# KiCad board multistepper.kicad_pcb (continued)
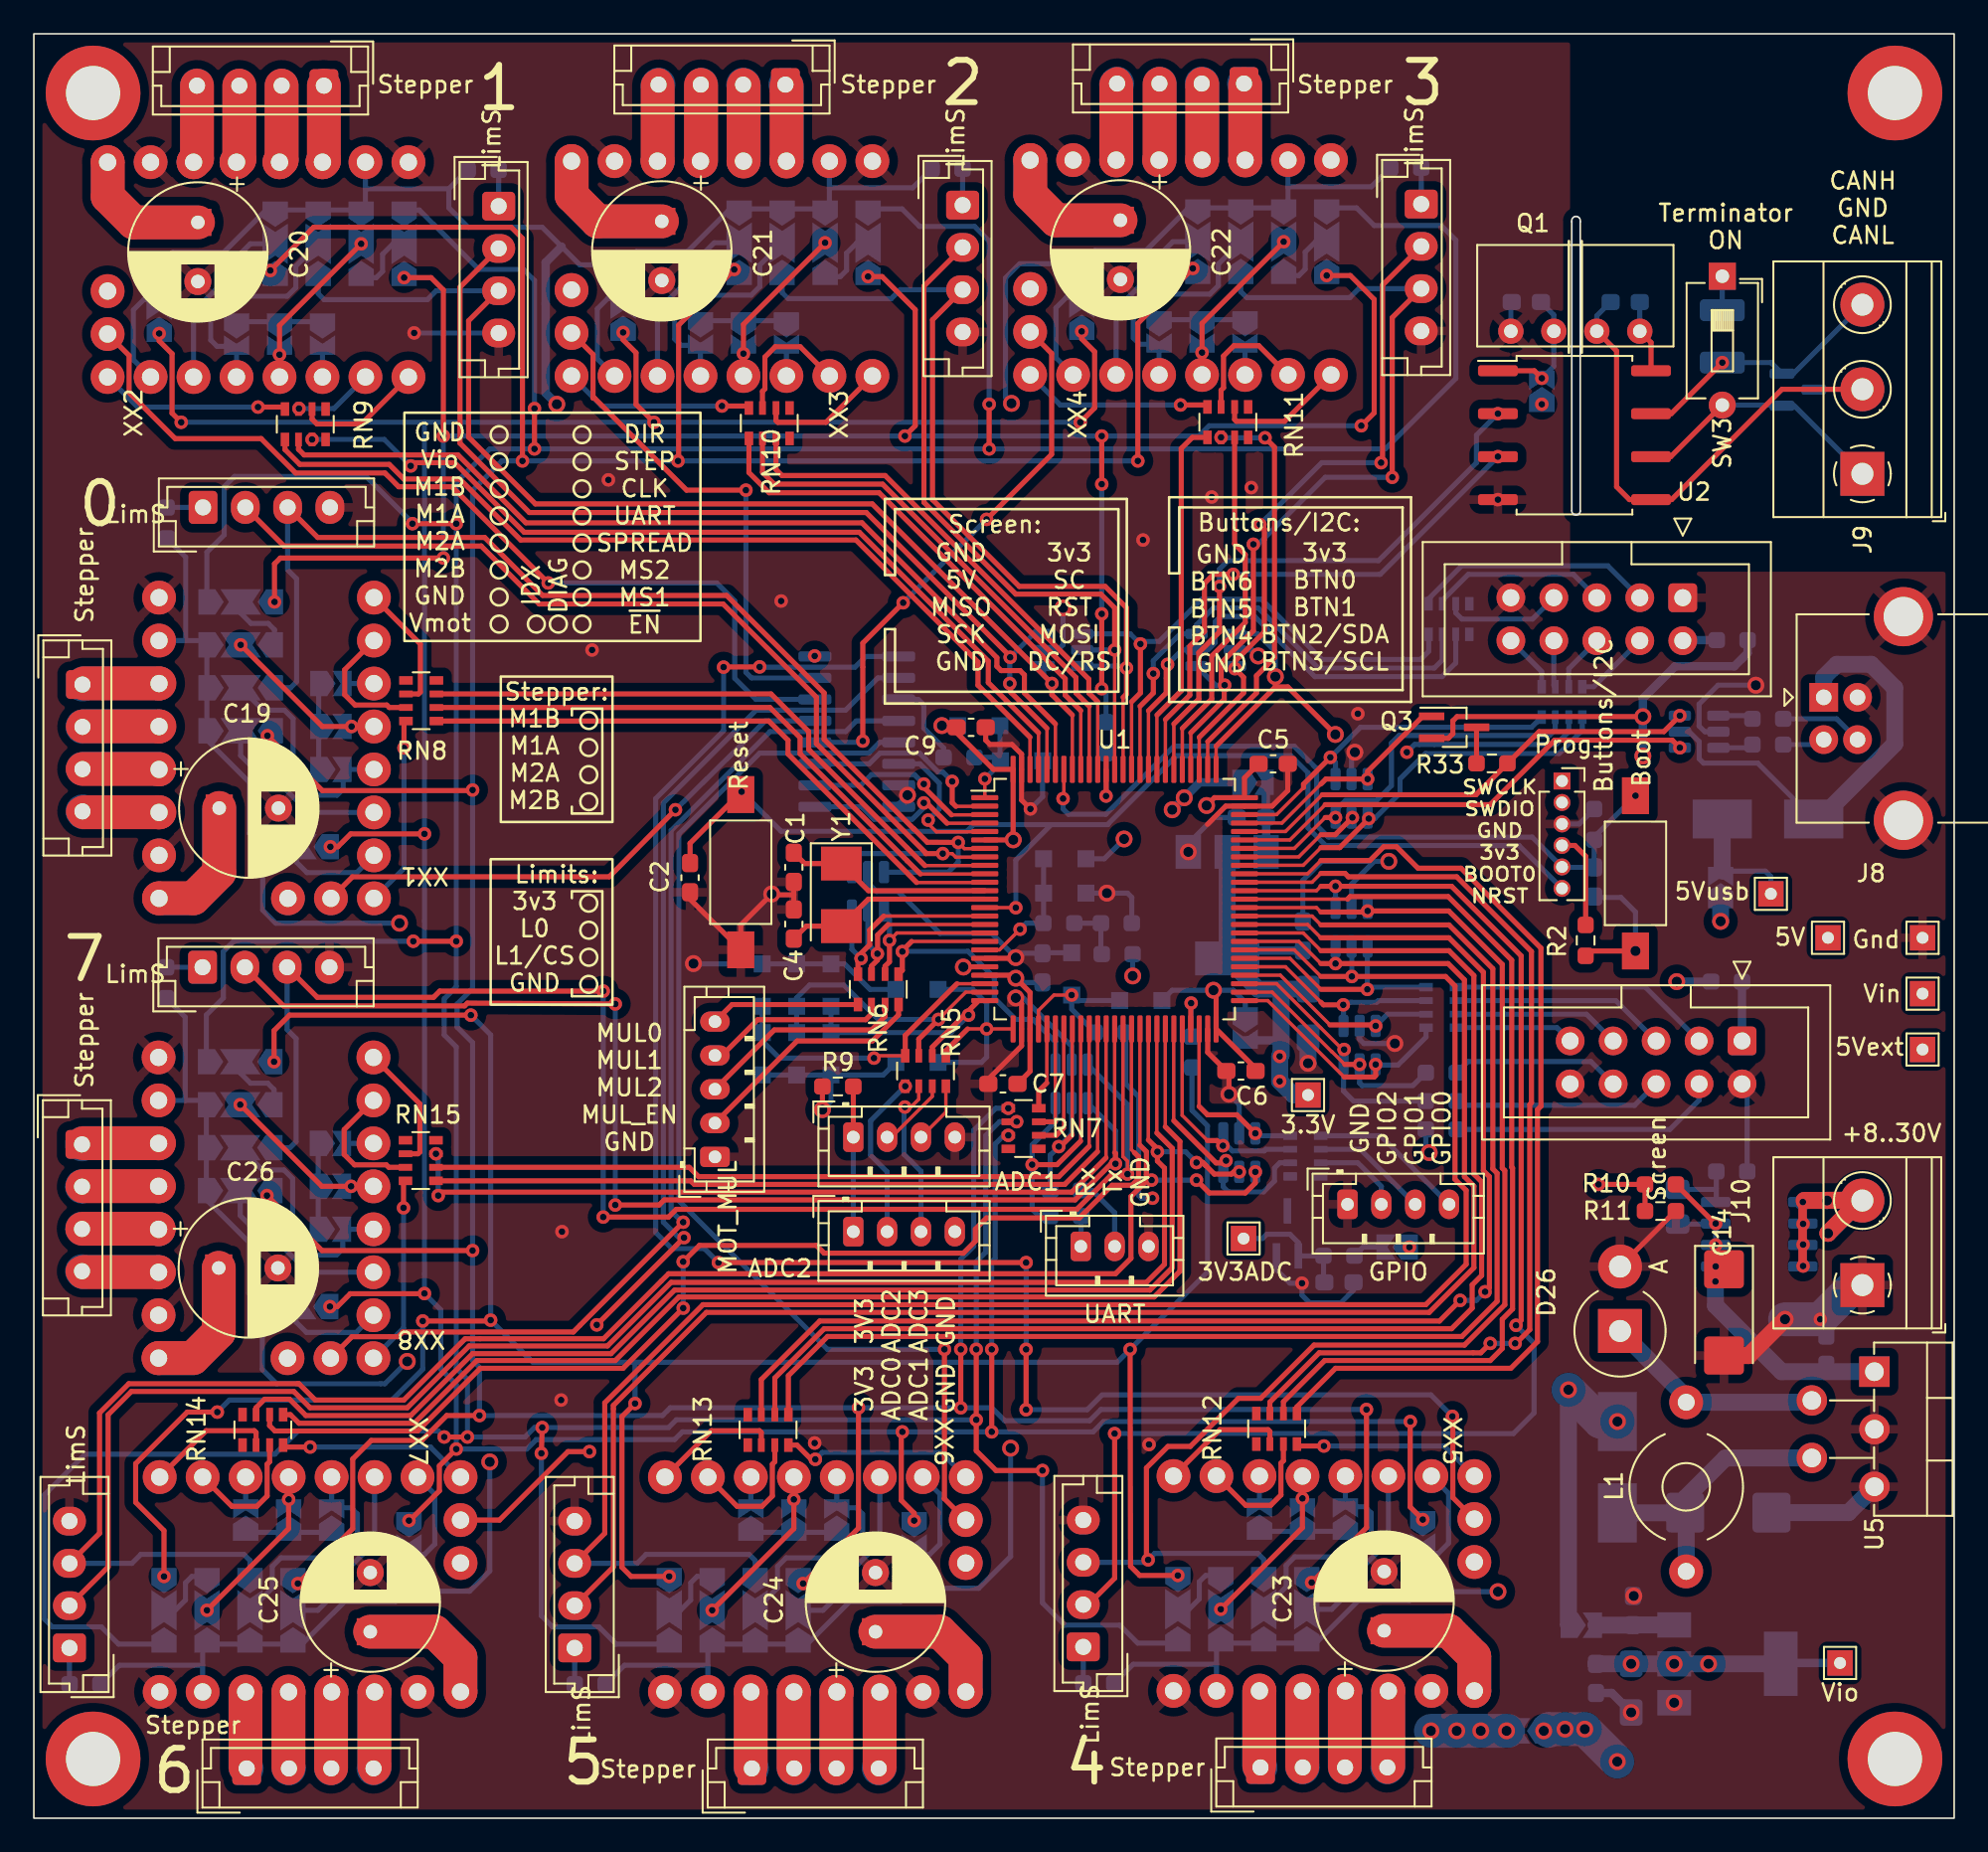
[diagram p0: board, top side]
## Routing (per net, layer and track width the routed paths; a pad name or vN(x,y) marks a point on that pad's centre or on a via; arc(x,y) is an arc through that point) (continued)
M4_L0: length 83.4
  Top w0.2: 76.07,55.1 75.81,54.84 71.56,54.84
  Top w0.3: v2(63.88,22.74) 63.88,14.19 62.32,12.63 J20.2 ; v2(87.6,29.14) 87.91,29.45 87.91,50.99 83.79,55.1 v2(76.94,55.1) 76.07,55.1
  Bottom w0.2: 76.94,53.82 76.93,53.82
  Bottom w0.3: v2(63.88,22.74) 87.45,22.74 88.67,23.96 88.67,28.07 v2(87.6,29.14) ; v2(76.94,55.1) 76.94,53.82
M4_L1: length 79.5
  Top w0.2: 71.56,53.84 75.81,53.84 76.07,53.58 ; 78.77,53.58 v2(78.83,53.64)
  Top w0.3: 76.07,53.58 78.77,53.58 ; v2(65.86,15.27) 65.76,15.37 65.76,20.71 67.03,21.98 68.35,21.98 71.2,24.82 72.52,24.82 75.67,27.97 84.56,27.97 86.94,30.36 86.94,38.29 86.79,38.44 86.79,50.48 83.63,53.64 v2(78.83,53.64)
  Bottom w0.3: J20.3 65.71,15.13 v2(65.86,15.27) 66.24,15.65 72.34,15.65 72.69,15.3 JP44.1
M4_STEP: length 55.6
  Top w0.2: 71.56,54.34 77.65,54.34
  Top w0.3: RN12.6 73.86,24.62 76.29,27.06 86.08,27.06 86.79,27.77 86.79,29.5 87.4,30.11 87.4,38.44 87.35,38.49 87.35,50.73 83.59,54.49 77.8,54.49 77.65,54.34
M5_DIR: length 81.4
  Top w0.2: 76.07,52.05 75.29,52.84 71.56,52.84
  Top w0.3: 76.07,52.05 83.64,52.05 85.67,50.02 85.67,38.29 86.03,37.93 86.03,31.38 v2(85.77,31.12) ; RN13.7 43,25.94 46.46,29.4 83.08,29.4 v2(84.3,30.61)
  Bottom w0.3: v2(84.3,30.61) 85.27,30.61 v2(85.77,31.12)
M5_EN: length 81.7
  Top w0.2: 76.07,52.81 75.55,53.34 71.56,53.34
  Top w0.3: 76.07,52.81 83.64,52.81 86.23,50.22 86.23,38.39 86.49,38.13 86.49,30.56 84.4,28.48 46.91,28.48 44.6,26.16 RN13.5
M5_L0: length 99.2
  Top w0.2: 71.56,51.84 74.76,51.84 76.07,50.53
  Top w0.3: 76.07,50.53 v2(76.94,50.53) 83.59,50.53 84.56,49.56 84.56,37.93 85.11,37.37 85.11,32.54 82.47,29.9 39.75,29.9 34.25,24.41 34.25,14.85 J22.2
  Bottom w0.2: 76.94,51.54 76.93,51.54
  Bottom w0.3: v2(76.94,50.53) 76.94,51.54
M5_L1: length 108.4
  Top w0.2: 71.56,51.34 74.5,51.34 76.07,49.77
  Top w0.3: 76.07,49.77 v2(77.9,49.77) 83.44,49.77 84,49.21 84,37.78 84.66,37.12 84.66,32.75 82.27,30.36 39.55,30.36 33.74,24.56 33.74,16.84 J22.3
  Bottom w0.2: 77.9,51.53 D8.5
  Bottom w0.3: J22.3 35.65,15.07 36.18,15.59 42.28,15.59 42.63,15.24 JP52.1 ; v2(77.9,49.77) 77.9,51.53
M5_STEP: length 79.8
  Top w0.2: 71.56,52.34 75.02,52.34 76.07,51.29
  Top w0.3: 76.07,51.29 83.64,51.29 85.11,49.82 85.11,38.08 85.57,37.62 85.57,32.09 85.01,31.53 85.01,30.16 83.79,28.94 46.71,28.94 43.8,26.02 RN13.6
M6_DIR: length 73.3
  Top w0.2: 66.37,46.67 66.37,40.52
  Top w0.3: 66.37,40.52 67.28,39.61 67.28,32.54 65.96,31.22 37.87,31.22 34.11,27.46 25.93,27.46 22.27,23.81 16.08,23.81 15.11,24.77 13.64,24.77 13.13,24.27 RN14.7
M6_EN: length 71.6
  Top w0.2: 66.87,46.67 66.87,40.88
  Top w0.3: 66.87,40.88 67.74,40.01 67.74,32.34 66.22,30.82 38.12,30.82 34.37,27.06 26.19,27.06 22.48,23.35 15.67,23.35 15.16,23.86 RN14.5
M6_L0: length 99.2
  Top w0.2: 65.87,46.67 65.87,40.1
  Top w0.3: v2(71.25,38.21) 70.92,38.21 70.79,38.08 69.77,38.08 69.26,38.59 ; 69.26,38.59 69.06,38.79 ; 69.26,38.59 69.09,38.76 v2(68.72,38.76) ; J24.2 4.39,14.85 4.39,23.86 5.76,25.23 15.37,25.23 16.33,24.26 22.07,24.26 25.73,27.92 33.91,27.92 37.67,31.68 65.76,31.68 66.83,32.75 66.83,38.44 66.41,38.85 v2(66.41,39.4) 66.41,39.57 65.87,40.1
  Bottom w0.3: v2(68.72,38.76) 68.08,39.4 v2(66.41,39.4)
M6_L1: length 109.4
  Top w0.2: 65.37,46.67 65.37,39.79
  Top w0.3: v2(68.72,37.73) 69.48,36.96 71.6,36.96 72.2,37.56 v2(72.2,38.21) ; 65.76,38.44 65.76,38.03 v2(66.06,37.73) ; 65.76,38.44 65.76,39.4 65.37,39.79 ; 65.76,38.44 65.76,37.68 64.85,36.76 64.85,33.1 63.93,32.19 37.51,32.19 33.67,28.35 25.49,28.35 21.87,24.72 16.64,24.72 15.67,25.69 5.61,25.69 3.88,23.96 3.88,16.84 J24.3
  Bottom w0.3: J24.3 5.79,15.07 6.32,15.59 12.42,15.59 12.77,15.24 JP60.1 ; v2(66.06,37.73) v2(68.72,37.73)
M6_STEP: length 69.8
  Top w0.2: 64.87,46.67 64.87,39.53 65.05,39.35
  Top w0.3: RN14.6 13.93,23.21 14.25,22.89 22.68,22.89 26.39,26.6 34.83,26.6 v2(38.38,30.16) ; v2(38.38,32.9) 39.34,33.87 46.25,33.87 46.71,33.41 54.94,33.41 55.65,34.12 55.65,34.83 56.31,35.49 61.8,35.49 63.73,37.42 64.9,37.42 65.29,37.81 65.29,39.11 65.05,39.35
  Bottom w0.3: v2(38.38,32.9) 38.38,30.16 v2(38.38,30.16)
M7_DIR: length 50.5
  Top w0.2: 63.37,46.67 63.37,39.05
  Top w0.3: v2(23.9,36.81) 24.1,37.02 61.34,37.02 63.37,39.05
  Bottom w0.3: v2(23.77,39.28) 23.9,39.15 v2(23.9,36.81)
M7_EN: length 47.3
  Top w0.2: 62.87,46.67 62.87,39.41
  Top w0.3: 62.87,39.41 60.93,37.47 39.04,37.47 38.83,37.68 RN15.5
M7_L0: length 77.6
  Top w0.2: 63.88,39.35 U1.38
  Top w0.3: v2(34.37,48.14) 25.62,48.19 25.46,48.03 14.76,48.03 J26.2 ; v2(34.37,36.25) 36.96,36.25 37.26,36.56 61.54,36.56 63.68,38.69 v2(63.93,38.69) 63.93,39.3 63.88,39.35
  Bottom w0.3: v2(63.93,38.69) 63.93,40.64 D5.4 ; v2(34.37,36.25) v2(34.37,48.14)
M7_L1: length 93.1
  Top w0.2: 64.37,46.67 64.37,39.11 64.64,38.84 v2(64.64,38.08)
  Top w0.3: v2(64.64,38.08) 64.54,37.98 63.63,37.98 61.64,36 37.97,36 37.51,35.54 v2(33.65,35.54) ; v2(33.65,48.9) 24,48.9 23.63,48.53 16.75,48.53 J26.3
  Bottom w0.3: J26.3 14.97,46.62 15.5,46.1 15.5,40 15.14,39.64 JP68.1 ; v2(33.65,48.9) v2(33.65,35.54) ; v2(64.64,38.08) 64.64,42.2 D5.3
M7_STEP: length 46.5
  Top w0.2: 62.37,46.67 62.37,39.72
  Top w0.3: 62.37,39.72 60.58,37.93 39.29,37.93 38.74,38.48 RN15.6
MCU3v3: length 147
  Top w0.3: U1.6 58.24,57.84 v1(57.89,57.84) 57.88,58.31 U1.100 56.71,62.01 54.53,64.19 C9.1 54.43,64.6 v1(53.67,64.6) ; C7.1 58.88,44.16 U1.28 58.88,48.82 v1(58.04,49.66) 57.86,49.84 U1.22 ; v1(46.61,41.89) 46.61,43.26 R9.1 ; C6.1 72.21,44.33 U1.50 69.88,48.8 v1(69.72,48.95) ; C5.1 71.56,61.5 71.56,60.34 69.78,60.34 v1(69.32,59.88) ; R2.1 92,51.27 v1(94.66,51.27)
  Power.Cu w0.3: 67.33,51.34 67.4,51.27 v1(94.66,51.27) ; 67.33,51.34 67.33,54.63 66.39,55.57 66.39,57.89 ; 67.33,51.34 v1(69.72,48.95) ; v1(57.89,57.84) 55.09,55.05 55.09,52.91 53.73,51.54 53.73,51.19 47.99,45.46 46.61,45.46 46.61,41.89 v1(46.61,41.89) ; v1(57.89,57.84) 61.8,54.39 61.8,53.42 60.39,52.01 60.39,50.19 59.86,49.66 v1(58.04,49.66) ; v1(57.89,57.84) v1(64.44,57.89) 66.39,57.89 ; 66.39,57.89 67.33,57.89 v1(69.32,59.88)
  Bottom w0.3: D15.1 v1(53.67,64.6) ; JP3.1 71.6,48.24 70.89,48.95 v1(69.72,48.95) 67.28,48.95 D13.1 ; v1(94.66,51.27) 94.66,53.58 93.8,54.44 92.28,54.44 C3.2 ; v1(46.61,41.89) 47.12,42.4 D11.1 ; D9.1 D10.1 D11.1 ; D14.1 63.27,56.73 v1(64.44,57.89) ; D12.1 50.2,43.94 D11.1 ; C8.1 58.29,49.41 v1(58.04,49.66)
MUL0: length 12.3
  Top w0.2: 56.13,59.82 54.5,59.82
  Top w0.3: v2(54.28,61.3) 54.28,60.04 54.5,59.82
  Bottom w0.3: U7.11 49.38,62.34 50.01,62.97 52.35,62.97 52.7,62.62 52.7,62.61 53.46,61.86 53.72,61.86 v2(54.28,61.3)
MUL1: length 11.3
  Top w0.2: 56.13,59.32 54.24,59.32
  Top w0.3: v2(52.6,61.15) 52.6,60.96 54.24,59.32
  Bottom w0.3: v2(52.6,61.15) 52.04,61.7 49.5,61.7 48.87,61.07 U7.10
MUL2: length 11.3
  Top w0.2: 56.13,58.82 53.97,58.82
  Top w0.3: v2(52.6,60.03) 52.77,60.03 53.97,58.82
  Bottom w0.3: v2(52.6,60.03) 52.6,59.75 51.92,59.06 49.66,59.06 48.92,59.8 U7.9
MUL_EN: length 9
  Top w0.2: 56.13,58.32 53.34,58.32 52.86,58.81 v2(52.86,59.01)
  Bottom w0.3: U7.6 52.37,62.34 53.52,61.2 53.52,59.67 v2(52.86,59.01)
TMC_MISO: length 6.5
  Top w0.2: 60.37,46.67 60.37,41.18
  Top w0.3: RN7.7 60.37,41.17 60.37,41.18
TMC_MOSI: length 7.5
  Top w0.2: 60.87,46.67 60.87,40.81
  Top w0.3: RN7.6 60.43,40.37 60.87,40.81
TMC_SCK: length 4.9
  Top w0.2: 59.87,46.67 59.87,43.47
  Top w0.3: 59.87,43.47 59.4,43 RN7.8
USART2_TX: length 4.1
  Top w0.3: U1.89 63.38,60.44 v2(63.37,60.43)
  Bottom w0.3: v2(63.37,60.43) R22.1
USART3_TX: length 3.5
  Top w0.3: U1.47 68.38,48.17 v2(68.4,48.19)
  Bottom w0.3: R21.1 68.4,46.26 v2(68.4,48.19)
USB_DM: length 28.4
  Top w0.2: 71.56,57.84 74.24,57.84 76.33,59.93
  Top w0.3: v2(97.29,63.29) 96.84,63.74 89.89,63.74 86.08,59.93 76.33,59.93
USB_DP: length 28.6
  Top w0.2: 76.15,60.51 73.98,58.34 71.56,58.34
  Top w0.3: 76.15,60.51 85.24,60.51 R33.2 ; R33.2 88.97,64.24 96.34,64.24 v2(97.29,65.19) ; R33.2 87.1,62.36
Vdrive: length 139.9
  Top w0.3: R10.2 99.36,35.16 v2(99.41,35.16)
  Ground.Cu w2: v2(99.41,35.16) v2(99.41,33.89) v2(99.41,32.62) 99.41,31.75 ; 89.34,5.27 v1(90.5,5.27) v1(91.67,5.27) 93.6,3.33 100.35,3.33 102.49,5.47 102.49,24.42 100.46,26.45 100.2,26.45 99.39,27.26 v2(99.39,31.73)
  Power.Cu w1: TP2.1 109.04,46.16 109.04,41.03 106.43,38.41 101.29,38.41 99.41,36.52 v2(99.41,35.16)
  Power.Cu w2: 102.49,5.47 102.49,24.42 100.46,26.45 100.2,26.45 99.39,27.26 v2(99.39,31.73) ; 99.41,31.75 v2(99.41,32.62) v2(99.41,33.89) v2(99.41,35.16) ; 102.48,5.48 100.34,3.34 v1(93.59,3.34) 91.66,5.28 89.33,5.28
  Bottom w0.3: v2(99.39,31.73) 99.41,31.75 v2(99.41,32.62) v2(99.41,33.89) v2(99.41,35.16) 99.37,35.13 D25.1
  Bottom w1: v2(99.39,31.73) 99.39,30.31 103.3,26.4 U5.1
  Bottom w2: v1(93.59,3.34) v1(91.67,5.27) 89.54,5.27 89.54,5.16
  vias: v1(89.24,5.16)
Vio: length 500.7
  Power.Cu w0.3: v2(46.15,68.71) 46.15,75.12 ; 57.73,25.84 57.94,26.04
  Power.Cu w0.5: v1(26.95,21.06) 26.95,22.08 32.08,27.21 ; 29.26,30.03 26.24,27.01 v1(22.07,27.01) ; v1(86.54,13.39) 89.99,13.39 ; v1(57.73,21.88) 57.73,25.84 ; v1(21.61,52.92) 27.76,52.92 ; 58.28,75.2 58.28,83.16 v1(57.78,83.65) ; v1(30.91,83.6) 30.91,75.27 31.06,75.12
  Power.Cu w1: 58.19,75.12 58.28,75.2
  Power.Cu w2: 58.19,75.12 29.03,75.12 27.76,73.85 27.76,31.53 33.25,26.04 84.71,26.04 89.99,20.76 89.99,13.39 90.04,13.34 90.04,10.35 91.26,9.13 v1(94.41,9.13) v1(96.95,9.13) v1(98.98,9.13)
  Bottom w0.3: 8.95,42.44 8.95,47.37 R32.1 ; 8.95,42.44 9.94,42.44 JP64.3 JP68.3 JP67.3 10.2,36.56 12.71,34.06 12.71,31.04 JP66.3 13.5,26.54 14.35,25.69 20.75,25.69 v1(22.07,27.01) ; 8.95,42.44 XX8.10 ; 19.6,96.34 19.6,95.34 JP16.3 JP20.3 JP19.3 13.73,95.08 11.22,92.58 8.2,92.58 JP18.3 ; 19.6,96.34 24.53,96.34 ; 19.6,96.34 XX2.10 ; 9.98,9.04 9.98,10.04 JP56.3 JP60.3 JP59.3 15.85,10.29 18.36,12.8 21.38,12.8 JP58.3 22,13.42 25.76,13.42 26.95,14.61 v1(26.95,21.06) ; 9.98,9.04 5.05,9.04 R31.1 ; 9.98,9.04 XX7.10 ; XX4.10 74.13,96.46 ; 74.13,96.46 79.05,96.46 R28.1 ; 74.13,96.46 74.13,95.46 JP32.3 JP36.3 JP35.3 68.25,95.21 65.74,92.7 62.73,92.7 JP34.3 58.27,91.91 57.43,91.07 57.43,84.01 v1(57.78,83.65) ; 69.9,9.1 69.9,10.1 JP40.3 JP44.3 JP43.3 75.77,10.35 78.28,12.86 81.3,12.86 JP42.3 82.35,13.39 v1(86.54,13.39) ; 69.9,9.1 XX5.10 ; 69.9,9.1 64.97,9.1 R29.1 ; 39.84,9.04 39.84,10.04 JP48.3 JP52.3 JP51.3 45.71,10.29 48.22,12.8 51.24,12.8 JP50.3 55.85,13.59 57.73,15.48 v1(57.73,21.88) ; 39.84,9.04 XX6.10 ; 39.84,9.04 34.91,9.04 R30.1 ; R27.1 51.95,96.4 47.02,96.4 ; XX1.10 8.97,69.63 ; 8.97,69.63 8.97,74.55 R23.1 ; 8.97,69.63 9.97,69.63 JP8.3 JP12.3 JP11.3 10.23,63.75 12.73,61.24 12.73,58.23 JP10.3 13.53,53.69 14.3,52.92 v1(21.61,52.92) ; 24.53,96.34 24.53,95.21 25.68,94.06 30.05,94.06 32.27,91.84 JP26.3 35.62,92.64 38.64,92.64 41.15,95.15 JP27.3 JP28.3 JP24.3 47.02,95.4 47.02,96.4 ; 24.53,96.34 R26.1 ; 47.02,96.4 XX3.10 ; U7.16 46.17,68.7 v2(46.15,68.71)
  Bottom w0.5: 31.19,92.92 30.25,91.98 30.25,84.26 v1(30.91,83.6) ; U8.2 103.3,9.18 TP8.1
  Bottom w1: C29.1 92.33,9.13 v1(94.41,9.13) v1(96.95,9.13) v1(98.98,9.13) U8.2
Net-(C10-Pad1): length 7.9
  Top w0.3: v2(89.13,85.14) 88.68,85.58 U2.1
  Bottom w0.3: v2(89.13,85.14) 89.84,85.85 Q1.2 89.84,88.88 C10.1
Net-(C11-Pad1): length 4.3
  Top w0.3: Q1.4 95.58,87.25 U2.8
  Bottom w0.3: C11.1 Q1.4
Net-(C15-Pad1): length 4.1
  Bottom w0.5: JP5.2 72.82,61.21 C15.1 72.83,59.15 U6.3
Net-(C17-Pad1): length 44.4
  Power.Cu w1: TP4.1 111.63,31.17 109.55,29.09 108.38,29.09 107.01,27.72 107.01,23.22 U5.4
  Bottom w1: C17.1 97.66,18.01 L1.1 ; C17.1 97.6,18.92 99.98,21.3 U5.4 ; C17.1 97.59,18.05 D27.2
Net-(C27-Pad1): length 4.6
  Bottom w1: 92.34,11.41 92.34,11.41 C27.1 94.53,11.43 U8.3
Net-(D22-Pad1): length 7.4
  Bottom w0.3: 99.87,55.92 JP2.2 ; TP1.1 102.67,55.67 102.34,55.99 99.8,55.99
  Bottom w1: D22.1 99.8,55.99
Net-(D25-Pad2): length 4.1
  Bottom w0.3: 99.44,37.22 99.44,36.47 Q2.4 ; 99.44,37.22 R19.1 ; 99.44,37.22 99.4,37.18 D25.2
Net-(D26-Pad1): length 13.3
  Bottom w1: D26.1 97.66,24.89 L1.2 104.98,24.59 U5.2
Net-(J1-Pad4): length 5.7
  Top w0.3: J1.4 91.08,57.51 91.72,56.88 R2.2
Net-(J2-Pad2): length 2
  Bottom w0.3: 97.49,69.65 J2.2
  Bottom w0.5: R3.1 97.49,69.65
Net-(J2-Pad3): length 14.4
  Bottom w0.3: J2.3 93.03,74.05 84.39,74.05 82.44,72.1 RN1.1
Net-(J2-Pad4): length 4.5
  Bottom w0.3: J2.4 92.2,66.9 RN3.8
Net-(J2-Pad5): length 10.5
  Bottom w0.3: RN1.2 83.24,72 84.78,73.54 91,73.54 J2.5
Net-(J2-Pad6): length 3.4
  Bottom w0.3: RN3.7 90.72,67.96 J2.6
Net-(J2-Pad7): length 7
  Bottom w0.3: J2.7 88.58,70.9 84.4,70.9 84.04,71.26 RN1.3
Net-(J2-Pad8): length 2.8
  Bottom w0.3: J2.8 89.84,66.98 RN3.6
Net-(J2-Pad10): length 3.5
  Bottom w0.3: RN3.5 89.12,67.8 J2.10
Net-(J3-Pad1): length 3.5
  Bottom w0.5: J3.1 100.96,45.96 R4.1
Net-(J3-Pad3): length 15.7
  Bottom w0.3: RN4.5 95.24,49.14 J3.3
Net-(J3-Pad4): length 16
  Bottom w0.3: R5.2 96.7,40.72 98.42,42.45 J3.4
Net-(J3-Pad5): length 12.8
  Bottom w0.3: RN4.6 93.5,48.34 J3.5
Net-(J3-Pad6): length 12.4
  Bottom w0.3: R15.2 84.35,42.15 94.61,42.15 J3.6
Net-(J3-Pad7): length 9.9
  Bottom w0.3: RN4.7 91.76,47.54 J3.7
Net-(J3-Pad8): length 10.1
  Bottom w0.3: R14.2 84.76,44.74 92.02,44.74 J3.8
Net-(J3-Pad9): length 7
  Bottom w0.3: J3.9 90.02,46.74 RN4.8
Net-(J4-Pad1): length 8.6
  Top w0.3: J5.1 48.43,43.26 R9.2
  Bottom w0.3: J5.1 J4.1
Net-(J6-Pad2): length 14.1
  Top w0.3: RN6.4 51.11,47.5 49.57,45.96 45.12,45.96 J6.2
Net-(J6-Pad3): length 12.5
  Top w0.3: RN6.3 50.31,47.4 49.51,46.61 43.77,46.61 J6.3
Net-(J6-Pad4): length 10.8
  Top w0.3: J6.4 40.67,45.1 42.78,47.21 49.16,47.21 49.51,47.55 RN6.2
Net-(J6-Pad5): length 8.9
  Top w0.3: RN6.1 41.26,48.1 J6.5
Net-(J7-Pad2): length 5.2
  Bottom w0.3: J7.2 79.64,37.35 78.25,38.75 RN2.3
Net-(J7-Pad3): length 6.9
  Bottom w0.3: RN2.2 78.39,39.55 J7.3
Net-(J7-Pad4): length 9.3
  Bottom w0.3: RN2.1 79.59,40.35 J7.4
Net-(J8-Pad2): length 2.5
  Bottom w0.3: R16.1 105.5,63.48 J8.2
Net-(J8-Pad3): length 4.9
  Bottom w0.3: R17.1 106.56,65 J8.3
Net-(J10-Pad2): length 39.2
  Top w0.5: 104.54,36.45 104.54,32.68
  Top w1: 105.97,36.53 104.63,36.53 ; 107.98,36.53 106.03,34.58 ; 105.96,36.53 108.06,36.53
  Ground.Cu w0.5: v2(104.56,36.43) 104.56,32.66
  Ground.Cu w1: v1(106.04,34.58) 105.13,34.58 v2(104.57,35.14) ; 105.98,34.64 v1(105.98,36.52) J10.2
  Power.Cu w0.5: v2(104.56,36.43) 104.56,32.66 v2(104.57,32.65)
  Power.Cu w1: v2(104.57,35.14) 105.13,34.58 v1(106.04,34.58) 105.98,34.64 v1(105.98,36.52) J10.2
  Bottom w0.5: v2(104.57,32.65) 104.56,32.63 104.56,32.62 ; 104.56,33.89 104.56,33.9 v2(104.57,33.92) ; 104.56,35.16 104.56,35.15 v2(104.57,35.14) ; 104.55,36.44 104.55,32.67
  Bottom w1: v1(106.04,34.58) 107.99,36.52 J10.2 ; v1(105.98,36.52) 104.64,36.52 v2(104.56,36.43) ; 105.97,36.53 108.07,36.53
Net-(J11-Pad1): length 2.1
  Bottom w0.3: R23.2 7.86,77.5 J11.1
Net-(J12-Pad1): length 13.5
  Top w2: 7.42,67.1 2.96,67.1
  Ground.Cu w2: 7.4,67.09 2.94,67.09
  Bottom w2: 2.93,67.09 J12.1 ; 7.4,67.1 2.94,67.1
Net-(J12-Pad2): length 13.5
  Top w2: 7.42,64.56 2.92,64.56
  Ground.Cu w2: 7.4,64.55 2.9,64.55
  Bottom w2: 2.89,64.55 J12.2 ; 7.4,64.56 2.9,64.56
Net-(J12-Pad3): length 13.5
  Top w2: 2.9,62.04 7.4,62.04
  Ground.Cu w2: 2.88,62.03 7.38,62.03
  Bottom w2: 2.88,62.04 7.38,62.04 ; 7.38,62.03 XX1.13
Net-(J12-Pad4): length 13.5
  Top w2: 7.42,59.48 2.96,59.48
  Ground.Cu w2: 7.4,59.47 2.94,59.47
  Bottom w2: 2.93,59.47 J12.4 ; 7.4,59.48 2.94,59.48
Net-(J13-Pad1): length 1.8
  Bottom w0.3: J13.1 61.9,33.82 R24.2
Net-(J13-Pad2): length 4.5
  Bottom w0.3: R25.2 62.56,37.12 63.88,35.8 J13.2
Net-(J14-Pad1): length 2.1
  Bottom w0.3: R26.2 27.47,97.45 J14.1
Net-(J15-Pad1): length 13.7
  Top w2: XX2.11 17.14,97.99 J15.1
  Ground.Cu w2: 17.06,97.91 17.14,98 17.14,102.44
  Bottom w2: 17.14,102.44 17.14,98 17.06,97.91
Net-(J15-Pad2): length 13.7
  Top w2: J15.2 14.64,98.03 XX2.12
  Ground.Cu w2: XX2.12 14.64,98.03 J15.2
  Bottom w2: XX2.12 14.64,98.03 J15.2
Net-(J15-Pad3): length 13.8
  Top w2: J15.3 12.14,98.07 XX2.13
  Ground.Cu w2: 12.14,102.44 12.14,98.08 11.98,97.91
  Bottom w2: J15.3 12.14,98.07 XX2.13 12,97.93
Net-(J15-Pad4): length 13.8
  Top w2: XX2.14 9.64,98.11 J15.4
  Ground.Cu w2: 9.43,97.95 9.64,98.15 9.64,102.47
  Bottom w2: 9.64,102.45 9.64,98.13 9.43,97.93
Net-(J16-Pad1): length 2.1
  Bottom w0.3: J16.1 54.9,97.51 R27.2
Net-(J17-Pad1): length 13.5
  Top w2: 44.49,97.95 44.49,102.41
  Ground.Cu w2: 44.48,97.97 44.48,102.44
  Bottom w2: 44.48,102.44 J17.1 ; 44.5,97.97 44.5,102.44
Net-(J17-Pad2): length 13.5
  Top w2: 41.95,97.95 41.95,102.45
  Ground.Cu w2: 41.94,97.97 41.94,102.48
  Bottom w2: 41.96,97.97 41.96,102.48 ; 41.94,102.48 J17.2
Net-(J17-Pad3): length 13.5
  Top w2: 39.43,102.47 39.43,97.97
  Ground.Cu w2: 39.42,102.5 39.42,97.99
  Bottom w2: 39.42,97.99 XX3.13 ; 39.44,102.5 39.44,97.99
Net-(J17-Pad4): length 13.5
  Top w2: 36.87,97.95 36.87,102.41
  Ground.Cu w2: 36.86,97.97 36.86,102.44
  Bottom w2: 36.88,97.97 36.88,102.44 ; 36.86,102.44 J17.4
Net-(J18-Pad1): length 2.1
  Bottom w0.3: J18.1 82,97.57 R28.2
Net-(J19-Pad1): length 13.5
  Top w2: 71.6,98.01 71.6,102.48
  Ground.Cu w2: 71.59,98.03 71.59,102.5
  Bottom w2: 71.59,102.5 J19.1 ; 71.61,98.03 71.61,102.5
Net-(J19-Pad2): length 13.5
  Top w2: 69.06,98.01 69.06,102.52
  Ground.Cu w2: 69.05,98.03 69.05,102.54
  Bottom w2: 69.05,102.54 J19.2 ; 69.07,98.03 69.07,102.54
Net-(J19-Pad3): length 13.5
  Top w2: 66.54,102.54 66.54,98.03
  Ground.Cu w2: 66.53,102.56 66.53,98.05
  Bottom w2: 66.55,102.56 66.55,98.05 ; 66.53,98.05 XX4.13
Net-(J19-Pad4): length 13.5
  Top w2: 63.98,98.01 63.98,102.48
  Ground.Cu w2: 63.97,98.03 63.97,102.5
  Bottom w2: 63.99,98.03 63.99,102.5 ; 63.97,102.5 J19.4
Net-(J20-Pad1): length 2.1
  Bottom w0.3: R29.2 62.03,7.99 J20.1
Net-(J21-Pad1): length 13.5
  Top w2: 72.43,7.55 72.43,3.08
  Ground.Cu w2: 72.44,7.53 72.44,3.06
  Bottom w2: 72.42,7.53 72.42,3.06 ; 72.44,3.06 J21.1
Net-(J21-Pad2): length 13.5
  Top w2: 74.97,7.55 74.97,3.04
  Ground.Cu w2: 74.98,7.53 74.98,3.02
  Bottom w2: 74.98,3.02 J21.2 ; 74.96,7.53 74.96,3.02
Net-(J21-Pad3): length 13.5
  Top w2: 77.49,3.02 77.49,7.53
  Ground.Cu w2: 77.5,3 77.5,7.51
  Bottom w2: 77.48,3 77.48,7.51 ; 77.5,7.51 XX5.13
Net-(J21-Pad4): length 13.5
  Top w2: 80.05,7.55 80.05,3.08
  Ground.Cu w2: 80.06,7.53 80.06,3.06
  Bottom w2: 80.04,7.53 80.04,3.06 ; 80.06,3.06 J21.4
Net-(J22-Pad1): length 2.1
  Bottom w0.3: J22.1 31.97,7.93 R30.2
Net-(J23-Pad1): length 13.5
  Top w2: 42.37,7.49 42.37,3.02
  Ground.Cu w2: 42.38,7.47 42.38,3
  Bottom w2: 42.36,7.47 42.36,3 ; 42.38,3 J23.1
Net-(J23-Pad2): length 13.5
  Top w2: 44.91,7.49 44.91,2.98
  Ground.Cu w2: 44.92,7.47 44.92,2.96
  Bottom w2: 44.9,7.47 44.9,2.96 ; 44.92,2.96 J23.2
Net-(J23-Pad3): length 13.5
  Top w2: 47.43,2.96 47.43,7.47
  Ground.Cu w2: 47.44,2.94 47.44,7.45
  Bottom w2: 47.42,2.94 47.42,7.45 ; 47.44,7.45 XX6.13
Net-(J23-Pad4): length 13.5
  Top w2: 49.99,7.49 49.99,3.02
  Ground.Cu w2: 50,7.47 50,3
  Bottom w2: 50,3 J23.4 ; 49.98,7.47 49.98,3
Net-(J24-Pad1): length 2.1
  Bottom w0.3: R31.2 2.1,7.93 J24.1
Net-(J25-Pad1): length 13.5
  Top w2: 12.51,7.49 12.51,3.02
  Ground.Cu w2: 12.52,7.47 12.52,3
  Bottom w2: 12.52,3 J25.1 ; 12.5,7.47 12.5,3
Net-(J25-Pad2): length 13.5
  Top w2: 15.05,7.49 15.05,2.98
  Ground.Cu w2: 15.06,7.47 15.06,2.96
  Bottom w2: 15.04,7.47 15.04,2.96 ; 15.06,2.96 J25.2
Net-(J25-Pad3): length 13.5
  Top w2: 17.57,2.96 17.57,7.47
  Ground.Cu w2: 17.58,2.94 17.58,7.45
  Bottom w2: 17.58,7.45 XX7.13 ; 17.56,2.94 17.56,7.45
Net-(J25-Pad4): length 13.5
  Top w2: 20.13,7.49 20.13,3.02
  Ground.Cu w2: 20.14,7.47 20.14,3
  Bottom w2: 20.14,3 J25.4 ; 20.12,7.47 20.12,3
Net-(J26-Pad1): length 2.1
  Bottom w0.3: R32.2 7.83,50.31 J26.1
Net-(J27-Pad1): length 13.5
  Top w2: 7.4,39.91 2.93,39.91
  Ground.Cu w2: 7.37,39.9 2.91,39.9
  Bottom w2: 7.37,39.92 2.91,39.92 ; 2.91,39.9 J27.1
Net-(J27-Pad2): length 13.5
  Top w2: 7.4,37.37 2.89,37.37
  Ground.Cu w2: 7.37,37.36 2.87,37.36
  Bottom w2: 7.37,37.38 2.87,37.38 ; 2.87,37.36 J27.2
Net-(J27-Pad3): length 13.5
  Top w2: 2.87,34.85 7.38,34.85
  Ground.Cu w2: 2.85,34.84 7.35,34.84
  Bottom w2: 2.85,34.86 7.35,34.86 ; 7.35,34.84 XX8.13
Net-(J27-Pad4): length 13.5
  Top w2: 7.4,32.29 2.93,32.29
  Ground.Cu w2: 7.37,32.28 2.91,32.28
  Bottom w2: 2.91,32.28 J27.4 ; 7.37,32.3 2.91,32.3
Net-(JP4-Pad2): length 2
  Bottom w0.3: JP4.2 78.56,33.76 R20.2
Net-(JP8-Pad1): length 4
  Bottom w0.3: JP8.1 14.23,70.27 13.85,70.64 12.84,70.64 12.23,71.25 JP9.2
Net-(JP13-Pad1): length 5.1
  Bottom w0.3: JP15.1 JP14.1 JP13.1
Net-(JP16-Pad1): length 4
  Bottom w0.3: JP17.2 21.23,93.08 20.62,92.47 20.62,91.46 20.24,91.08 JP16.1
Net-(JP21-Pad1): length 5.1
  Bottom w0.3: JP21.1 JP22.1 JP23.1
Net-(JP24-Pad1): length 4
  Bottom w0.3: JP24.1 47.66,91.15 48.04,91.52 48.04,92.54 48.65,93.15 JP25.2
Net-(JP29-Pad1): length 5.1
  Bottom w0.3: JP31.1 JP30.1 JP29.1
Net-(JP32-Pad1): length 4
  Bottom w0.3: JP32.1 74.77,91.21 75.14,91.58 75.14,92.6 75.75,93.21 JP33.2
Net-(JP37-Pad1): length 5.1
  Bottom w0.3: JP39.1 JP38.1 JP37.1
Net-(JP40-Pad1): length 4
  Bottom w0.3: JP40.1 69.26,14.35 68.88,13.98 68.88,12.96 68.27,12.35 JP41.2
Net-(JP45-Pad1): length 5.1
  Bottom w0.3: 72.44,16.96 77.52,16.96
Net-(JP48-Pad1): length 4
  Bottom w0.3: JP48.1 39.2,14.29 38.82,13.92 38.82,12.9 38.21,12.29 JP49.2
Net-(JP53-Pad1): length 5.1
  Bottom w0.3: 47.46,16.9 42.38,16.9
Net-(JP56-Pad1): length 4
  Bottom w0.3: JP57.2 8.35,12.29 8.96,12.9 8.96,13.92 9.34,14.29 JP56.1
Net-(JP61-Pad1): length 5.1
  Bottom w0.3: 17.6,16.9 12.52,16.9
Net-(JP64-Pad1): length 4
  Bottom w0.3: JP64.1 14.2,43.08 13.82,43.45 12.81,43.45 12.2,44.06 JP65.2
Net-(JP69-Pad1): length 5.1
  Bottom w0.3: JP69.1 JP70.1 JP71.1
Net-(Q3-Pad3): length 2.1
  Top w0.3: 85.27,64.49 Q3.3 85.27,64.49 R33.1
Net-(R16-Pad2): length 2.1
  Bottom w0.3: R16.2 101.39,63.29 U3.3
Net-(R17-Pad2): length 2.1
  Bottom w0.3: U3.1 101.39,65.19 R17.2
Net-(R18-Pad1): length 2
  Bottom w0.3: SW3.1 R18.1

## Copper pours and planes (outline as drawn; the poured copper is in the pictures)
GND on Top, Ground.Cu: 113,73.7 113,0.5 0.5,0.5 0.5,105 90.8,105 90.8,73.7
GND on Bottom, Ground.Cu: 113,73.7 113,0.5 0.5,0.5 0.5,105 90.8,105 90.8,73.7
GND on Ground.Cu: 113,73.7 113,0.5 0.5,0.5 0.5,105 90.8,105 90.8,73.7
/Motors/Vm on Power.Cu: 67.5,80.5 31.5,80.5 26,74.5 26,23 84,23 86.5,20.5 86.5,0.5 0.5,0.5 0.5,105 67.5,105
MCU3v3 on Power.Cu: 95,54 95,50 75.5,41 36,41 36,66 67,66 72,59.5 89,59.5 89,54

## Text on the board
B.Silkscreen: 0  o  o / 1  o  x / 2  x  o / 3  x  x / 4  o  o / 5  o  x / 6  x  o / 7  x  x | A-CLK / B-UART / C-SPREAD | MCU | E1-E2-3v3 | UART address / (x - soldered, / o - not soldered): / MOT# G2 H2 | MS1 | MS2 | SCK-G1-G2-3v3 | SPREAD | MOSI-H1-H2-3v3 | UART-D1-D2-MISO | UART | L1/CS-F1-F2-3v3 | D1 D2 | E1 E2 | F1 F2 | G1 G2 | H1 H2 | Soldering / jumpers | A | B | C | For UART solder D1, E1 and address. / For SPI solder D2, E1, F1, G1 and H1. | 6 | 0 | 7 | 1 | 5 | 2 | 4 | 3
F.Silkscreen: SWCLK / SWDIO / GND / 3v3 / BOOT0 / NRST | GND / Vio / M1B / M1A / M2A / M2B / GND / Vmot | M1B / M1A / M2A / M2B | 3v3 / L0 / L1/CS / GND | Stepper: | Limits: | MUL0 / MUL1 / MUL2 / MUL_EN / GND | DIR / STEP / CLK / UART / SPREAD / MS2 / MS1 / ~{EN} | GND / 5V / MISO / SCK / GND | Screen: | 3v3 / SC / RST / MOSI / DC/RS | GND / BTN6 / BTN5 / BTN4 / GND | Buttons/I2C: | 3v3 / BTN0 / BTN1 / BTN2/SDA / BTN3/SCL | Terminator / ON | CANH / GND / CANL | +8..30V | IDX / DIAG | 3V3 / ADC2 / ADC3 / GND | 3V3 / ADC0 / ADC1 / GND | Rx / Tx / GND | GND / GPIO2 / GPIO1 / GPIO0 | 7 | 0 | 6 | 1 | 5 | 2 | 4 | 3
